# KiCad board usb-c-power-adapter.kicad_pcb
title: usb-c-power-adapter; date: 2025-06-24; rev: 1.1.2; company: Antmicro
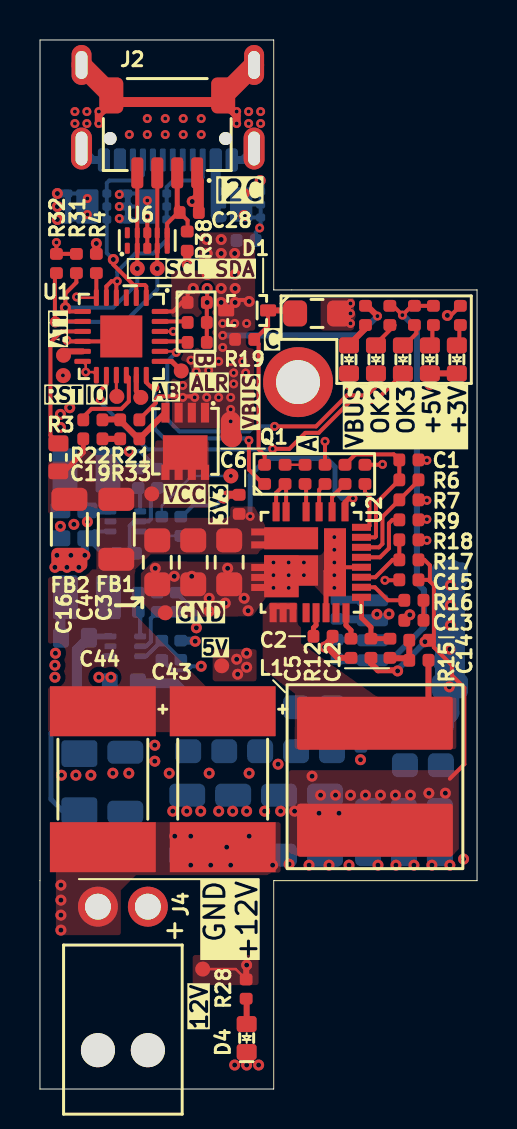
[diagram p0: board, top side]
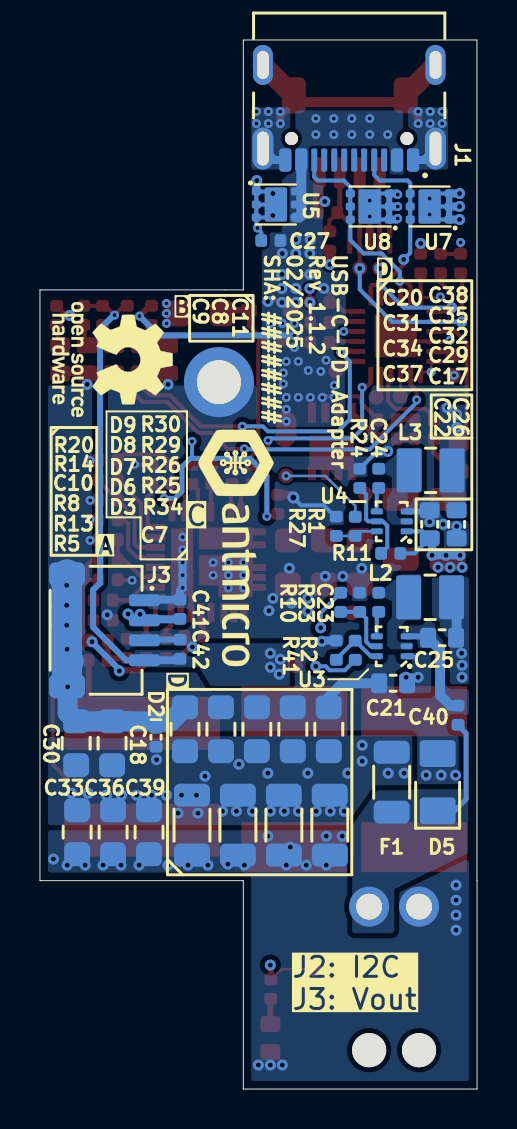
[diagram p1: board, bottom side, seen from below]

Outline 21.89 x 52.48 mm; copper layers: Top, In1.Cu, In2.Cu, Bottom. Coordinates in mm from the lower left corner of the outline.
Outline path: 0,10.42 0,0 11.7,0 11.7,10.42 21.89,10.42 21.89,39.98 11.7,39.98 11.7,52.48 0,52.48 0,10.42
Stack: Top 0.035mm / dielectric 0.18mm PR7628 er 4.5 / dielectric 0.18mm / In1.Cu 0.035mm / dielectric 0.71mm FR4 er 4.5 / In2.Cu 0.035mm / dielectric 0.18mm FR4PR7628 er 4.5 / dielectric 0.18mm / Bottom 0.035mm

## Placement (name value [footprint] x y rotation side)
C1  C_1u_25V_0402  [C_0402_1005Metric]  18.47 31.47 180 top
C2  C_4u7_25V_0402  [C_0402_1005Metric]  14.17 22.65 180 top
C3  C_10u_0805_35V  [C_0805_2012Metric]  9.47 26.35 90 top
C4  C_10u_0805_35V  [C_0805_2012Metric]  7.67 26.35 90 top
C5  C_33n_0402  [C_0402_1005Metric]  15.57 22.05 270 top
C6  C_100n_50V_X8L_0402  [C_0402_1005Metric]  9.97 29.25 270 top
C7  C_10u_0805_35V  [C_0805_2012Metric]  13.88 38.8 180 top
C8  C_1u_25V_0402  [C_0402_1005Metric]  7.87 38.35 180 top
C9  C_1u_25V_0402  [C_0402_1005Metric]  7.87 37.35 180 top
C10  C_100n_50V_X8L_0402  [C_0402_1005Metric]  13.27 30.75 270 top
C11  C_1u_25V_0402  [C_0402_1005Metric]  7.87 39.35 180 top
C12  C_1n2_50V_0402  [C_0402_1005Metric]  17.52 22.05 270 top  (not fitted)
C13  C_270p_25V_0402  [C_0402_1005Metric]  18.72 23.45 180 top  (not fitted)
C14  C_1n2_50V_0402  [C_0402_1005Metric]  18.97 22.45 0 top  (not fitted)
C15  C_100n_50V_X8L_0402  [C_0402_1005Metric]  18.47 25.47 0 top
C16  C_10u_0805_35V  [C_0805_2012Metric]  5.87 26.35 90 top
C17  C_22u_25V_0805  [C_0805_2012Metric]  7.42 18 270 bottom
C18  C_22u_25V_0805  [C_0805_2012Metric]  18.27 17.3 270 bottom
C19  C_100n_50V_X8L_0402  [C_0402_1005Metric]  2.65 32.52 180 top
C20  C_47u_25V_1206  [C_1206_3216Metric]  14.27 13.2 90 bottom
C21  C_10u_25V_0603  [C_0603_1608Metric]  4.2 20.3 180 bottom
C22  C_10u_25V_0603  [C_0603_1608Metric]  2.37 28.25 270 bottom
C23  C_100n_50V_X8L_0402  [C_0402_1005Metric]  4.92 24.35 270 bottom
C24  C_100n_50V_X8L_0402  [C_0402_1005Metric]  4.92 30.55 270 bottom
C25  C_10u_25V_0603  [C_0603_1608Metric]  1.75 22.58 180 bottom
C26  C_10u_25V_0603  [C_0603_1608Metric]  1.02 28.25 90 bottom
C27  C_4u7_25V_0402  [C_0402_1005Metric]  10.33 42.45 180 bottom
C28  C_100n_50V_X8L_0402  [C_0402_1005Metric]  7.47 43.85 180 top
C29  C_22u_25V_0805  [C_0805_2012Metric]  9.22 18 270 bottom
C30  C_22u_25V_0805  [C_0805_2012Metric]  20.07 17.3 270 bottom
C31  C_47u_25V_1206  [C_1206_3216Metric]  11.97 13.2 90 bottom
C32  C_22u_25V_0805  [C_0805_2012Metric]  11.02 18 270 bottom
C33  C_22u_25V_0805  [C_0805_2012Metric]  20.02 12.85 90 bottom
C34  C_47u_25V_1206  [C_1206_3216Metric]  9.67 13.2 90 bottom
C35  C_22u_25V_0805  [C_0805_2012Metric]  12.82 18 270 bottom
C36  C_22u_25V_0805  [C_0805_2012Metric]  18.22 12.85 90 bottom
C37  C_47u_25V_1206  [C_1206_3216Metric]  7.37 13.2 90 bottom
C38  C_22u_25V_0805  [C_0805_2012Metric]  14.62 18 270 bottom
C39  C_22u_25V_0805  [C_0805_2012Metric]  16.42 12.85 90 bottom
C40  C_1u_25V_0402  [C_0402_1005Metric]  0.95 18.7 270 bottom
C41  C_1u_25V_0402  [C_0402_1005Metric]  14.87 24 270 bottom
C42  C_1u_25V_0402  [C_0402_1005Metric]  14.87 22 270 bottom
C43  C_Pol_150u_30V_Vishay-T59-EE  [C_Pol_Vishay-T59-EE]  9.15 15.5 270 top
C44  C_Pol_150u_30V_Vishay-T59-EE  [C_Pol_Vishay-T59-EE]  3.15 15.5 270 top
D1  PMEG6002EJ,115  [D_SOD-323F]  10.37 38.95 180 top
D2  AXGD10402KR  [D_0402_1005Metric]  16.07 17.6 270 bottom
D3  LED_G_0603_LG_L29K-G2J1-24-Z  [LED_0603_1608Metric_G]  15.47 36.5 90 top
D4  LED_G_0603_LG_L29K-G2J1-24-Z  [LED_0603_1608Metric_G]  10.35 2.55 90 top
D5  SZSMF4L12AT3G  [SOD-123FL]  1.97 15.35 90 bottom
D6  LED_G_0603_LG_L29K-G2J1-24-Z  [LED_0603_1608Metric_G]  16.82 36.5 90 top
D7  LED_G_0603_LG_L29K-G2J1-24-Z  [LED_0603_1608Metric_G]  18.17 36.5 90 top
D8  LED_G_0603_LG_L29K-G2J1-24-Z  [LED_0603_1608Metric_G]  19.52 36.5 90 top
D9  LED_G_0603_LG_L29K-G2J1-24-Z  [LED_0603_1608Metric_G]  20.87 36.5 90 top
F1  F_7A_1206  [F_1206_3216Metric]  4.27 15.35 270 bottom
FB1  FB_10Z_10A_WE-MPSB_1206  [FB_1206_3216Metric]  3.82 28 270 top
FB2  FB_10Z_10A_WE-MPSB_1206  [FB_1206_3216Metric]  1.47 28 270 top  (not fitted)
J1  USB-C_GCT_USB4105-GF-A  [USB-C_Receptacle_GCT_USB4105-GF-A]  6.4 49.98 0 bottom
J2  JST_SH_1x4_SM04B-SRSS-TB-LF-SN  [Conn_JST_SH_1x4_SM04B-SRSS-TB-LF-SN]  6.37 47.95 180 top
J3  JST_SH_1x4_SM04B-SRSS-TB-LF-SN  [Conn_JST_SH_1x4_SM04B-SRSS-TB-LF-SN]  18.78 22.95 270 bottom
J4  Molex_Nano-Fit_1x2_1053131202  [Conn_Molex_Nano-Fit_1x2_1053131102]  5.4 9.12 0 top
L1  L_4u7_14.6A_Abracon-Q8080  [L_Abracon_ASPIAIG-Q8080]  16.77 15.62 270 top
L2  L_3u3_2.5A_1008  [L_1008_2520Metric]  2.35 24.6 180 bottom
L3  L_3u3_2.5A_1008  [L_1008_2520Metric]  2.32 30.95 180 bottom
MP1  -  [MP_Pad3.5mm_Drill2.2mm]  12.92 35.36 0 top
N1  antmicro_logo  [antmicro-logo_scaled_12mm_silk]  12.1 27.1 270 bottom
N2  oshw_logo  [OSHW-Logo_5.7x6mm_SilkScreen]  18.25 36.5 270 bottom
Q1  SQS401EN-T1_BE3  [Vishay_PowerPAK_1212-8_Single]  7.27 32.4 270 top
R1  R_3k16_0402  [R_0402_1005Metric]  6.1 28.15 90 bottom
R2  R_5k23_0402  [R_0402_1005Metric]  6.1 21.95 90 bottom
R3  R_4k7_0603  [R_0603_1608Metric]  0.92 31.6 90 top
R4  R_10k_0402  [R_0402_1005Metric]  2.82 41.3 90 top
R5  R_2k_0402  [R_0402_1005Metric]  16.27 30.75 90 top
R6  R_0R_0402  [R_0402_1005Metric]  18.47 30.47 0 top
R7  R_68k_0402  [R_0402_1005Metric]  18.47 29.47 180 top  (not fitted)
R8  R_100k_0402  [R_0402_1005Metric]  14.27 30.75 90 top
R9  R_158k_0402  [R_0402_1005Metric]  18.47 28.47 180 top
R10  R_100k_0402  [R_0402_1005Metric]  6.83 24.35 90 bottom
R11  R_100k_0402  [R_0402_1005Metric]  4.32 26.8 180 bottom
R12  R_0R_0402  [R_0402_1005Metric]  16.57 22.05 270 top
R13  R_100k_0402  [R_0402_1005Metric]  15.27 30.75 90 top
R14  R_3R3_0402  [R_0402_1005Metric]  12.27 30.75 270 top
R15  R_8k66_0402  [R_0402_1005Metric]  18.97 21.45 180 top  (not fitted)
R16  R_316k_0402  [R_0402_1005Metric]  18.72 24.45 0 top  (not fitted)
R17  R_140k_0.1%_0402  [R_0402_1005Metric]  18.47 26.47 0 top
R18  R_10k_0.1%_0402  [R_0402_1005Metric]  18.47 27.47 180 top
R19  R_470R_0402  [R_0402_1005Metric]  10.25 37.5 180 top
R20  R_1k_0402  [R_0402_1005Metric]  11.25 30.75 90 top
R21  R_100k_0402  [R_0402_1005Metric]  4.5 33.47 0 top
R22  R_22k_0402  [R_0402_1005Metric]  2.65 33.47 0 top
R23  R_15k_0402  [R_0402_1005Metric]  5.88 24.35 270 bottom
R24  R_15k_0402  [R_0402_1005Metric]  5.87 30.55 270 bottom
R25  R_470R_0402  [R_0402_1005Metric]  17.52 38.7 90 top
R26  R_470_0402  [R_0402_1005Metric]  18.75 38.7 90 top
R27  R_1k_0402  [R_0402_1005Metric]  7.05 28.15 270 bottom
R28  R_2k2_0402  [R_0402_1005Metric]  10.33 5 90 top
R29  R_470_0402  [R_0402_1005Metric]  19.7 38.7 90 top
R30  R_220R_0402  [R_0402_1005Metric]  21.05 38.7 90 top
R31  R_4k7_0402  [R_0402_1005Metric]  1.82 41.3 90 top  (not fitted)
R32  R_4k7_0402  [R_0402_1005Metric]  0.82 41.3 90 top  (not fitted)
R33  R_100R_0402  [R_0402_1005Metric]  4.5 32.52 180 top
R34  R_1k2_0402  [R_0402_1005Metric]  16.3 38.7 90 top
R38  R_0R_0402  [R_0402_1005Metric]  7.37 42.42 270 top  (not fitted)
R41  R_1k_0402  [R_0402_1005Metric]  7.05 21.95 270 bottom
TP1  TP_0.75mm_SMD  [TP_SMD_0.75mm]  5.87 41.05 0 top
TP2  TP_0.75mm_SMD  [TP_SMD_0.75mm]  4.87 41.05 0 top
TP3  TP_0.75mm_SMD  [TP_SMD_0.75mm]  9.62 32.6 0 top
TP4  TP_0.75mm_SMD  [TP_SMD_0.75mm]  5.6 29.77 0 top
TP5  TP_0.75mm_SMD  [TP_SMD_0.75mm]  9.1 21.17 0 top
TP6  TP_0.75mm_SMD  [TP_SMD_0.75mm]  9.56 30.67 0 top
TP7  TP_0.75mm_SMD  [TP_SMD_0.75mm]  8.15 6 0 top
TP8  TP_0.75mm_SMD  [TP_SMD_0.75mm]  1.17 35.69 180 top
TP9  TP_0.75mm_SMD  [TP_SMD_0.75mm]  7.08 35.92 0 top
TP10  TP_0.75mm_SMD  [TP_SMD_0.75mm]  1.18 36.71 0 top
TP11  TP_0.75mm_SMD  [TP_SMD_0.75mm]  5.05 34.6 0 top
TP12  TP_0.75mm_SMD  [TP_SMD_0.75mm]  3.85 34.65 0 top
TP13  TP_0.75mm_SMD  [TP_SMD_0.75mm]  6.28 23.83 0 top
U1  STUSB4500_QFN  [QFN-24-1EP_4x4mm_P0.5_EP2.1x2.1mm]  4.07 37.65 270 top
U2  SIC477ED-T1-GE3  [SIC47XED-T1-GE3]  13.57 26.35 270 top
U3  AP62301Z6-7  [SOT-563]  4.28 22.15 0 bottom
U4  AP62301Z6-7  [SOT-563]  4.27 28.4 0 bottom
U5  TVS2200DRVR  [WSON-6-1EP_2x2mm_P0.65mm]  10.07 44.25 180 bottom
U6  TPD4E02B04DQA  [USON-10_2.5x1mm_P0.5mm]  5.37 42.45 90 top
U7  TVS2200DRVR  [WSON-6-1EP_2x2mm_P0.65mm]  2.37 44.15 0 bottom
U8  TVS2200DRVR  [WSON-6-1EP_2x2mm_P0.65mm]  5.37 44.15 0 bottom

## Library data of the parts
C1 C8 C9 C11 C40-C42 = -: Datasheet: https://www.murata.com/products/productdetail?partno=GRM155R61E105KE11%23; Description: SMD Multilayer Ceramic Capacitor, 1 µF, 25 V, 0402 [1005 Metric], ± 10%, X5R, GRM Series; MPN: GRM155R61E105KE11J; Manufacturer: Murata; License: Apache-2.0; Author: Antmicro; Val: 1u; Voltage: 25V; Dielectric: X5R
C2 C27 = -: Datasheet: https://www.murata.com/products/productdetail?partno=GRM155C61E475ME15%23; Description: SMD Multilayer Ceramic Capacitor; MPN: GRM155C61E475ME15J; Manufacturer: Murata; License: Apache-2.0; Author: Antmicro; Val: 4u7; Voltage: 25V; Dielectric: X5S
C3 C4 C7 C16 = -: Datasheet: https://www.murata.com/products/productdetail?partno=GRM21BR6YA106KE43%23; Description: SMD Multilayer Ceramic Capacitor, 10 µF, 35 V, 0805 [2012 Metric], ± 10%, X5R, GRM Series; MPN: GRM21BR6YA106KE43L; Manufacturer: Murata; License: Apache-2.0; Author: Antmicro; Val: 10u; Voltage: 35V; Public: False
C5 = -: Datasheet: https://www.murata.com/products/productdetail?partno=GCM155R71E333KA55%23; Description: SMD Multilayer Ceramic Capacitor, 33000 pF, 25 V, 0402 [1005 Metric], ± 10%, X7R, MC; Manufacturer: Murata; MPN: GCM155R71E333KA55D; Val: 33n; License: Apache-2.0; Author: Antmicro
C6 C10 C15 C19 C23 C24 C28 = -: Datasheet: https://www.murata.com/products/productdetail?partno=GCM155L8EH104KE07%23; Description: SMD Multilayer Ceramic Capacitor, 100nF, 50V, 0402, ±10%, X8L; MPN: GCM155L8EH104KE07D; Val: 100n; Voltage: 50V; Dielectric: X8L; Manufacturer: Murata; License: Apache-2.0; Author: Antmicro
C12 C14 = -: Datasheet: https://www.murata.com/products/productdetail?partno=GCM155R71H122KA37%23; Description: SMD Multilayer Ceramic Capacitor, 1200 pF, 50 V, 0402 [1005 Metric], ± 10%, X7R, GCM; Manufacturer: Murata; MPN: GCM155R71H122KA37D; Val: 1n2; License: Apache-2.0; Author: Antmicro; Voltage: 50V
C13 = -: Datasheet: https://www.kemet.com/en/us/capacitors/product/C0402C271J3GAC7867.html; Description: SMD Multilayer Ceramic Capacitor, 270 pF, 25 V, 0402 [1005 Metric], ± 5%, C0G / NP0; Manufacturer: KEMET; MPN: C0402C271J3GAC7867; Val: 270p; License: Apache-2.0; Author: Antmicro; Voltage: 25V
C17 C18 C29 C30 C32 C33 C35 C36 C38 C39 = -: Datasheet: https://product.samsungsem.com/mlcc/CL21A226MAYNNN.do; Description: SMT Multilayer Ceramic Capacitor, 22uF, +/-20%, 25V, X5R, 0805 [2012 Metric]; MPN: CL21A226MAYNNNE; Manufacturer: Samsung Electro-Mechanics; License: Apache-2.0; Author: Antmicro; Val: 22u; Voltage: 25V; Dielectric: X5R; Public: False
C20 C31 C34 C37 = -: Datasheet: https://product.tdk.com/en/search/capacitor/ceramic/mlcc/info?part_no=C3216X5R1E476M160AC; Description: SMD Multilayer Ceramic Capacitor, 47 µF, 25 V, 1206 [3216 Metric], ± 20%, X5R; MPN: C3216X5R1E476M160AC; Val: 47u; Voltage: 25V; Author: Antmicro; License: Apache-2.0; Manufacturer: TDK; Dielectric: X5R; Public: False
C21 C22 C25 C26 = -: Datasheet: https://product.tdk.com/en/search/capacitor/ceramic/mlcc/info?part_no=C1608X5R1E106M080AC; Description: SMD Multilayer Ceramic Capacitor, 10 µF, 25 V, 0603 [1608 Metric], ± 20%, X5R, C; MPN: C1608X5R1E106M080AC; Manufacturer: TDK; License: Apache-2.0; Author: Antmicro; Val: 10u; Voltage: 25V
C43 C44 = -: Datasheet: https://www.vishay.com/docs/40191/t59.pdf; Description: Tantalum Capacitors - Polymer 150uF 30volts 20% 75mohms maxESR; MPN: T59EE157M030C0075; Manufacturer: Vishay; Voltage: 30V; Val: 150u; Author: Antmicro; License: Apache-2.0; Dielectric: template_dielectric
D1 = -: Datasheet: https://assets.nexperia.com/documents/data-sheet/PMEG6002EJ.pdf; Description: Schottky Rectifier, Low VF, 60 V, 200 mA, Single, SOD-323F, 2 Pins, 600 mV; Manufacturer: Nexperia; Author: Antmicro; License: Apache-2.0
D2 = -: Datasheet: https://www.littelfuse.com/media?resourcetype=datasheets&itemid=020b2bf2-064c-4ff1-a898-b4ec805b2fea&filename=littelfuse-xtremeguard-axgd-datasheet; Description: Bidirectional TVS, 30 kV,  0402, 24 V, 0.04 pF; Manufacturer: Littelfuse; Author: Antmicro; License: Apache-2.0
D3 D4 D6-D9 = -: Datasheet: https://look.ams-osram.com/m/19ee86b3ae0ee95b/original/LG-L29K.pdf; Description: LED, Green, SMD, 0603, 20 mA, 1.7 V, 570 nm; MPN: LG L29K-G2J1-24-Z; Manufacturer: OSRAM; Color: Green; Author: Antmicro; License: Apache-2.0
D5 = -: Datasheet: https://www.mouser.com/datasheet/2/240/media-3320461.pdf; Description: ESD, TVS Diode, 14V, UNI, 400W, SOD-123FL; Author: Antmicro; License: Apache-2.0; Manufacturer: Littelfuse
F1 = -: Datasheet: https://us.schurter.com/pdf/english/typ_UST_1206.pdf; Description: 7 A 32 V AC 63 V DC Fuse Board Mount (Cartridge Style Excluded) Surface Mount 1206 (3216 Metric); Manufacturer: Schurter; MPN: 3413.0326.11; Author: Antmicro; License: Apache-2.0
FB1 = -: Datasheet: https://www.we-online.com/catalog/datasheet/74279221100.pdf; Description: Ferrite Bead, 1206 [3216 Metric], 10 ohm, 10.5 A, WE-MPSB, 0.003 ohm, ± 25%, High Current; MPN: 74279221100; Manufacturer: Würth Elektronik; Author: Antmicro; License: Apache-2.0; Val: 10Z/10A
FB2 = -: Datasheet: https://www.we-online.com/catalog/datasheet/74279221100.pdf; Description: Ferrite Bead, 1206 [3216 Metric], 10 ohm, 10.5 A, WE-MPSB, 0.003 ohm, ± 25%, High Current; Val: 10Z/10A; MPN: 74279221100; Manufacturer: Würth Elektronik; Author: Antmicro; License: Apache-2.0
J1 = -: Datasheet: https://gct.co/files/drawings/usb4105.pdf; Description: USB-C (USB TYPE-C) USB 2.0 Receptacle Connector 24 (16+8 Dummy) Position Surface Mount, Right Angle; Manufacturer: GCT; MPN: USB4105-GF-A; Author: Antmicro; License: Apache-2.0
J2 J3 = -: Datasheet: https://www.jst-mfg.com/product/pdf/eng/eSH.pdf; Description: Pin Header, Right Angle, Wire-to-Board, 1 mm, 1 Rows, 4 Contacts, Surface Mount Right Angle, SH; MPN: SM04B-SRSS-TB(LF)(SN); Manufacturer: JST Automotive Connectors; Author: Antmicro; License: Apache-2.0
J4 = -: Datasheet: https://tools.molex.com/pdm_docs/ps/PS-105300-100-001.pdf; Description: Rectangular connector, header, Through Hole, Right Angle 2 position; Manufacturer: Molex; MPN: 1053131202; Author: Antmicro; License: Apache-2.0
L1 = -: Datasheet: https://www.mouser.com/datasheet/2/3/ASPIAIG_Q8080-2256550.pdf; Description: Power Inductors - SMD 4.7 UH 20%; MPN: ASPIAIG-Q8080-4R7M-T; ISat: 17A; IMax: 14.6A; Size: 8.9x8.5; Val: 4.7u/14.6A; Author: Antmicro; License: Apache-2.0; Manufacturer: Abracon
L2 L3 = -: Datasheet: https://product.tdk.com/system/files/dam/doc/product/inductor/inductor/smd/catalog/inductor_automotive_power_tfm252012alma_en.pdf; Description: 3.3 µH Shielded Thin Film Inductor 2 A 140mOhm Max 1008 (2520 Metric); MPN: TFM252012ALMA3R3MTAA; ISat: 2.1 A; IMax: 2.5 A; Manufacturer: TDK; Val: 3u3/2.5A; Size: 2.5x2.0; Author: Antmicro; License: Apache-2.0
MP1 = -: Description: PCB mounting point; Author: Antmicro; License: Apache-2.0
N1 N2 = -: Description: Mechanical part
Q1 = -: Datasheet: https://www.vishay.com/docs/65529/sqs401en.pdf; Description: MOSFET, P Channel, 40 V, 16A, 0.047 ohm, PowerPAK 1212-8, Surface Mount; Manufacturer: Vishay; Author: Antmicro; License: Apache-2.0
R1 = -: Datasheet: https://www.mouser.com/datasheet/2/447/YAGEO_PYu_RC_Group_51_RoHS_L_12-3313492.pdf; Description: SMD Chip Resistor, 3.16 kohm, ± 1%, 62.5 mW, 0402 [1005 Metric], Thick Film, General Purpose; MPN: RC0402FR-073K16L; Val: 3k16; License: Apache-2.0; Manufacturer: YAGEO; Tolerance: 1%; Author: Antmicro
R2 = -: Datasheet: https://www.farnell.com/datasheets/3795017.pdf; Description: SMD Chip Resistor, 5.23 kohm, ± 1%, 63 mW, 0402 [1005 Metric], Thick Film, General Purpose; MPN: RC0402FR-075K23L; Manufacturer: YAGEO; License: Apache-2.0; Author: Antmicro; Val: 5k23; Tolerance: 1%
R3 = -: Datasheet: https://www.bourns.com/docs/product-datasheets/cr.pdf; Description: SMD Chip Resistor, 4.7 kohm, ± 1%, 100 mW, 0603 [1608 Metric], Thick Film, General Purpose; MPN: CR0603-FX-4701ELF; Manufacturer: Bourns; License: Apache-2.0; Author: Antmicro; Val: 4k7; Tolerance: 1%
R4 = -: Datasheet: https://www.bourns.com/docs/product-datasheets/cr.pdf; Description: SMD Chip Resistor, 10 kohm, ± 1%, 62.5 mW, 0402 [1005 Metric], Thick Film, General Purpose; MPN: CR0402-FX-1002GLF; Manufacturer: Bourns; License: Apache-2.0; Author: Antmicro; Val: 10k; Tolerance: 1%
R5 = -: Datasheet: https://www.bourns.com/docs/product-datasheets/cr.pdf; Description: SMD Chip Resistor, 2 kohm, ± 1%, 62.5 mW, 0402 [1005 Metric], Thick Film, General Purpose; Manufacturer: Bourns; MPN: CR0402-FX-2001GLF; Val: 2k; License: Apache-2.0; Author: Antmicro; Tolerance: 1%
R6 R12 = -: Datasheet: https://industrial.panasonic.com/cdbs/www-data/pdf/RDA0000/AOA0000C301.pdf; Description: SMD Chip Resistor, Jumper, 0 ohm, 100 mW, 0402 [1005 Metric], Thick Film, General Purpose; Manufacturer: Panasonic; MPN: ERJ2GE0R00X; Val: 0R; License: Apache-2.0; Author: Antmicro; Current: 1A
R7 = -: Datasheet: https://www.bourns.com/docs/product-datasheets/cr.pdf; Description: SMD Chip Resistor; MPN: CR0402-FX-6802GLF; Manufacturer: Bourns; License: Apache-2.0; Author: Antmicro; Val: 68k; Tolerance: 1%
R8 R13 = -: Datasheet: https://www.bourns.com/docs/product-datasheets/cr.pdf; Description: SMD Chip Resistor, 100 kohm, ± 1%, 62.5 mW, 0402 [1005 Metric], Thick Film, General Purpose; Manufacturer: Bourns; MPN: CR0402-FX-1003GLF; Val: 100k; License: Apache-2.0; Author: Antmicro; Tolerance: 1%
R9 = -: Datasheet: https://www.bourns.com/docs/product-datasheets/cr.pdf; Description: SMD Chip Resistor, 158 kohm, ± 1%, 100 mW, 0402 [1005 Metric], Thick Film, Precision; MPN: CR0402-FX-1583GLF; Manufacturer: Bourns; License: Apache-2.0; Author: Antmicro; Val: 158k; Tolerance: 1%
R10 R11 R21 = -: Datasheet: https://www.bourns.com/docs/product-datasheets/cr.pdf; Description: SMD Chip Resistor, 100 kohm, ± 1%, 62.5 mW, 0402 [1005 Metric], Thick Film, General Purpose; MPN: CR0402-FX-1003GLF; Manufacturer: Bourns; License: Apache-2.0; Author: Antmicro; Val: 100k; Tolerance: 1%
R14 = -: Datasheet: https://www.bourns.com/docs/product-datasheets/cr.pdf; Description: SMD Chip Resistor, 3.3 ohm, ± 1%, 62.5 mW, 0402 [1005 Metric], Thick Film, General Purpose; Manufacturer: Bourns; MPN: CR0402-FX-3R30GLF; Val: 3R3; License: Apache-2.0; Author: Antmicro; Tolerance: 1%
R15 = -: Datasheet: https://www.bourns.com/docs/product-datasheets/cr.pdf; Description: SMD Chip Resistor; Manufacturer: Bourns; MPN: CR0402-FX-8661GLF; Val: 8k66; License: Apache-2.0; Author: Antmicro; Tolerance: 1%
R16 = -: Datasheet: https://www.bourns.com/docs/product-datasheets/cr.pdf; Description: SMD Chip Resistor; Manufacturer: Bourns; MPN: CR0402-FX-3163GLF; Val: 316k; License: Apache-2.0; Author: Antmicro; Tolerance: 1%
R17 = -: Datasheet: https://www.vishay.com/docs/28758/tnpw_e3.pdf; Description: SMD Chip Resistor, Ceramic, 140 kohm, ± 0.1%, 62.5 mW, 0402 [1005 Metric], Thin Film, Precision resistors; MPN: RT0402BRD07140KL; Val: 140k; Manufacturer: YAGEO; Tolerance: 0.1%; License: Apache-2.0; Author: Antmicro
R18 = -: Datasheet: https://www.mouser.com/datasheet/2/54/CRT-1649066.pdf; Description: SMD Chip Resistor, 10 kohm, ± 0.1%, 62.5 mW, 0402 [1005 Metric], Thin Film, Precision Resistors; MPN: CRT0402-BY-1002GLF; Val: 10k; Manufacturer: Bourns; Tolerance: 0.1%; License: Apache-2.0; Author: Antmicro
R19 R25 R26 R29 = -: Datasheet: https://www.bourns.com/docs/product-datasheets/cr.pdf; Description: SMD Chip Resistor, 470 ohm, ± 1%, 62.5 mW, 0402 [1005 Metric], Thick Film, General Purpose; MPN: CR0402-FX-4700GLF; Manufacturer: Bourns; License: Apache-2.0; Author: Antmicro; Val: 470R; Tolerance: 1%
R20 R27 R41 = -: Datasheet: https://www.bourns.com/docs/product-datasheets/cr.pdf; Description: SMD Chip Resistor, 1 kohm, ± 1%, 63 mW, 0402 [1005 Metric], Thick Film, General Purpose; MPN: CR0402-FX-1001GLF; Manufacturer: Bourns; License: Apache-2.0; Author: Antmicro; Val: 1k; Tolerance: 1%
R22 = -: Datasheet: https://www.bourns.com/docs/product-datasheets/cr.pdf; Description: SMD Chip Resistor, 22 kohm, ± 1%, 62.5 mW, 0402 [1005 Metric], Thick Film, General Purpose; MPN: CR0402-FX-2202GLF; Manufacturer: Bourns; License: Apache-2.0; Author: Antmicro; Val: 22k; Tolerance: 1%
R23 R24 = -: Datasheet: https://www.bourns.com/docs/product-datasheets/cr.pdf; Description: SMD Chip Resistor, 15 kohm, ± 1%, 62.5 mW, 0402 [1005 Metric], Thick Film, General Purpose; MPN: CR0402-FX-1502GLF; Manufacturer: Bourns; License: Apache-2.0; Author: Antmicro; Val: 15k; Tolerance: 1%
R28 = -: Datasheet: https://www.bourns.com/docs/product-datasheets/cr.pdf; Description: SMD Chip Resistor, 2.2 kohm, ± 1%, 62.5 mW, 0402 [1005 Metric], Thick Film, General Purpose; MPN: CR0402-FX-2201GLF; Manufacturer: Bourns; License: Apache-2.0; Author: Antmicro; Val: 2k2; Tolerance: 1%
R30 = -: Datasheet: https://www.bourns.com/docs/product-datasheets/cr.pdf; Description: SMD Chip Resistor, 220 ohm, ± 1%, 62.5 mW, 0402 [1005 Metric], Thick Film, General Purpose; MPN: CR0402-FX-2200GLF; Manufacturer: Bourns; License: Apache-2.0; Author: Antmicro; Val: 220R; Tolerance: 1%
R31 R32 = -: Datasheet: https://www.bourns.com/docs/product-datasheets/cr.pdf; Description: SMD Chip Resistor, 4.7 kohm, ± 1%, 62.5 mW, 0402 [1005 Metric], Thick Film, General Purpose; MPN: CR0402-FX-4701GLF; Manufacturer: Bourns; License: Apache-2.0; Author: Antmicro; Val: 4k7; Tolerance: 1%
R33 = -: Datasheet: https://www.bourns.com/docs/product-datasheets/cr.pdf; Description: SMD Chip Resistor, 100 ohm, ± 1%, 62.5 mW, 0402 [1005 Metric], Thick Film, General Purpose; MPN: CR0402-FX-1000GLF; Manufacturer: Bourns; License: Apache-2.0; Author: Antmicro; Val: 100R; Tolerance: 1%
R34 = -: Datasheet: https://www.bourns.com/docs/product-datasheets/cr.pdf; Description: SMD Chip Resistor, 1.2 kohm, ± 1%, 62.5 mW, 0402 [1005 Metric], Thick Film, General Purpose; MPN: CR0402-FX-1201GLF; Manufacturer: Bourns; License: Apache-2.0; Author: Antmicro; Val: 1k2; Tolerance: 1%
R38 = -: Datasheet: https://industrial.panasonic.com/cdbs/www-data/pdf/RDA0000/AOA0000C301.pdf; Description: SMD Chip Resistor, Jumper, 0 ohm, 100 mW, 0402 [1005 Metric], Thick Film, General Purpose; MPN: ERJ2GE0R00X; Manufacturer: Panasonic; License: Apache-2.0; Author: Antmicro; Val: 0R; Current: 1A
TP1-TP13 = -: Description: SMT test point; Author: Antmicro; License: Apache-2.0
U1 = -: Datasheet: https://www.mouser.com/datasheet/2/389/dm00489312-1799262.pdf; Description: USB Controller USB 2.0 I2C Interface 24-QFN (4x4); MPN: STUSB4500QTR; Manufacturer: STMicroelectronics; Author: Antmicro; License: Apache-2.0